# Allegro board LED_FIN.brd (continued)
## Routing (per net, layer and track width the routed paths; a pad name or vN(x,y) marks a point on that pad's centre or on a via; arc(x,y) is an arc through that point) (continued)
COL_OUT_C7: length 257.4
  TOP w0.15: D13673.1 v1(263.25,166.8) ; D12923.1 v1(263.25,216.8) ; D13223.1 v1(263.25,196.8) ; D12653.1 v1(263.25,234.8) ; D12833.1 v1(263.25,222.8) ; D13403.1 v1(263.25,184.8) ; D12593.1 v1(263.25,238.8) ; D13193.1 v1(263.25,198.8) ; D13103.1 v1(263.25,204.8) ; D12683.1 v1(263.25,232.8) ; D13373.1 v1(263.25,186.8) ; D12623.1 v1(263.25,236.8) ; D13013.1 v1(263.25,210.8) ; D13253.1 v1(263.25,194.8) ; D12863.1 v1(263.25,220.8) ; R353.1 262.7,10.6 v1(263.25,10.6) ; D13463.1 v1(263.25,180.8) ; D13583.1 v1(263.25,172.8) ; D12743.1 v1(263.25,228.8) ; D12803.1 v1(263.25,224.8) ; D13313.1 v1(263.25,190.8) ; D12893.1 v1(263.25,218.8) ; D12983.1 v1(263.25,212.8) ; D13163.1 v1(263.25,200.8) ; D12713.1 v1(263.25,230.8) ; D13433.1 v1(263.25,182.8) ; D12773.1 v1(263.25,226.8) ; D13523.1 v1(263.25,176.8) ; D13643.1 v1(263.25,168.8) ; D13343.1 v1(263.25,188.8) ; D13043.1 v1(263.25,208.8) ; D13493.1 v1(263.25,178.8) ; D12953.1 v1(263.25,214.8) ; D13553.1 v1(263.25,174.8) ; D13133.1 v1(263.25,202.8) ; D13283.1 v1(263.25,192.8) ; D12563.1 v1(263.25,240.8) ; D13073.1 v1(263.25,206.8) ; D13613.1 v1(263.25,170.8)
  BOTTOM w0.15: v1(263.25,240.8) v1(263.25,238.8) v1(263.25,236.8) v1(263.25,234.8) v1(263.25,232.8) v1(263.25,230.8) v1(263.25,228.8) v1(263.25,226.8) v1(263.25,224.8) v1(263.25,222.8) v1(263.25,220.8) v1(263.25,218.8) v1(263.25,216.8) v1(263.25,214.8) v1(263.25,212.8) v1(263.25,210.8) v1(263.25,208.8) v1(263.25,206.8) v1(263.25,204.8) v1(263.25,202.8) v1(263.25,200.8) v1(263.25,198.8) v1(263.25,196.8) v1(263.25,194.8) v1(263.25,192.8) v1(263.25,190.8) v1(263.25,188.8) v1(263.25,186.8) v1(263.25,184.8) v1(263.25,182.8) v1(263.25,180.8) v1(263.25,178.8) v1(263.25,176.8) v1(263.25,174.8) v1(263.25,172.8) v1(263.25,170.8) v1(263.25,168.8) v1(263.25,166.8) v1(263.25,10.6)
COL_OUT_C8: length 257.4
  TOP w0.15: D12712.1 v1(261.25,230.8) ; D13132.1 v1(261.25,202.8) ; D12862.1 v1(261.25,220.8) ; D13582.1 v1(261.25,172.8) ; D12622.1 v1(261.25,236.8) ; D13492.1 v1(261.25,178.8) ; D12562.1 v1(261.25,240.8) ; R352.1 260.7,10.6 v1(261.25,10.6) ; D13192.1 v1(261.25,198.8) ; D13252.1 v1(261.25,194.8) ; D13642.1 v1(261.25,168.8) ; D12742.1 v1(261.25,228.8) ; D12772.1 v1(261.25,226.8) ; D12892.1 v1(261.25,218.8) ; D13552.1 v1(261.25,174.8) ; D13222.1 v1(261.25,196.8) ; D13162.1 v1(261.25,200.8) ; D12952.1 v1(261.25,214.8) ; D12652.1 v1(261.25,234.8) ; D12922.1 v1(261.25,216.8) ; D13342.1 v1(261.25,188.8) ; D13042.1 v1(261.25,208.8) ; D13312.1 v1(261.25,190.8) ; D13522.1 v1(261.25,176.8) ; D13462.1 v1(261.25,180.8) ; D13372.1 v1(261.25,186.8) ; D13432.1 v1(261.25,182.8) ; D13612.1 v1(261.25,170.8) ; D12982.1 v1(261.25,212.8) ; D12592.1 v1(261.25,238.8) ; D13102.1 v1(261.25,204.8) ; D13672.1 v1(261.25,166.8) ; D12802.1 v1(261.25,224.8) ; D13402.1 v1(261.25,184.8) ; D13072.1 v1(261.25,206.8) ; D13012.1 v1(261.25,210.8) ; D12682.1 v1(261.25,232.8) ; D12832.1 v1(261.25,222.8) ; D13282.1 v1(261.25,192.8)
  BOTTOM w0.15: v1(261.25,240.8) v1(261.25,238.8) v1(261.25,236.8) v1(261.25,234.8) v1(261.25,232.8) v1(261.25,230.8) v1(261.25,228.8) v1(261.25,226.8) v1(261.25,224.8) v1(261.25,222.8) v1(261.25,220.8) v1(261.25,218.8) v1(261.25,216.8) v1(261.25,214.8) v1(261.25,212.8) v1(261.25,210.8) v1(261.25,208.8) v1(261.25,206.8) v1(261.25,204.8) v1(261.25,202.8) v1(261.25,200.8) v1(261.25,198.8) v1(261.25,196.8) v1(261.25,194.8) v1(261.25,192.8) v1(261.25,190.8) v1(261.25,188.8) v1(261.25,186.8) v1(261.25,184.8) v1(261.25,182.8) v1(261.25,180.8) v1(261.25,178.8) v1(261.25,176.8) v1(261.25,174.8) v1(261.25,172.8) v1(261.25,170.8) v1(261.25,168.8) v1(261.25,166.8) v1(261.25,10.6)
COL_OUT_C9: length 257.4
  TOP w0.15: D12891.1 v1(259.25,218.8) ; D13221.1 v1(259.25,196.8) ; D12771.1 v1(259.25,226.8) ; D12681.1 v1(259.25,232.8) ; v1(259.25,10.6) 258.7,10.6 R351.1 ; D13521.1 v1(259.25,176.8) ; D13551.1 v1(259.25,174.8) ; D12981.1 v1(259.25,212.8) ; D13251.1 v1(259.25,194.8) ; D12951.1 v1(259.25,214.8) ; D12711.1 v1(259.25,230.8) ; D13101.1 v1(259.25,204.8) ; D12801.1 v1(259.25,224.8) ; D12861.1 v1(259.25,220.8) ; D13461.1 v1(259.25,180.8) ; D12591.1 v1(259.25,238.8) ; D13491.1 v1(259.25,178.8) ; D12741.1 v1(259.25,228.8) ; D13191.1 v1(259.25,198.8) ; D13611.1 v1(259.25,170.8) ; D13311.1 v1(259.25,190.8) ; D13371.1 v1(259.25,186.8) ; D13671.1 v1(259.25,166.8) ; D13401.1 v1(259.25,184.8) ; D13071.1 v1(259.25,206.8) ; D13011.1 v1(259.25,210.8) ; D13161.1 v1(259.25,200.8) ; D12621.1 v1(259.25,236.8) ; D13041.1 v1(259.25,208.8) ; D13641.1 v1(259.25,168.8) ; D13431.1 v1(259.25,182.8) ; D12921.1 v1(259.25,216.8) ; D12651.1 v1(259.25,234.8) ; D13131.1 v1(259.25,202.8) ; D13581.1 v1(259.25,172.8) ; D13341.1 v1(259.25,188.8) ; D13281.1 v1(259.25,192.8) ; D12831.1 v1(259.25,222.8) ; D12561.1 v1(259.25,240.8)
  BOTTOM w0.15: v1(259.25,10.6) v1(259.25,166.8) v1(259.25,168.8) v1(259.25,170.8) v1(259.25,172.8) v1(259.25,174.8) v1(259.25,176.8) v1(259.25,178.8) v1(259.25,180.8) v1(259.25,182.8) v1(259.25,184.8) v1(259.25,186.8) v1(259.25,188.8) v1(259.25,190.8) v1(259.25,192.8) v1(259.25,194.8) v1(259.25,196.8) v1(259.25,198.8) v1(259.25,200.8) v1(259.25,202.8) v1(259.25,204.8) v1(259.25,206.8) v1(259.25,208.8) v1(259.25,210.8) v1(259.25,212.8) v1(259.25,214.8) v1(259.25,216.8) v1(259.25,218.8) v1(259.25,220.8) v1(259.25,222.8) v1(259.25,224.8) v1(259.25,226.8) v1(259.25,228.8) v1(259.25,230.8) v1(259.25,232.8) v1(259.25,234.8) v1(259.25,236.8) v1(259.25,238.8) v1(259.25,240.8)
COL_OUT_C10: length 257.4
  TOP w0.15: D12890.1 v1(257.25,218.8) ; D13490.1 v1(257.25,178.8) ; D13340.1 v1(257.25,188.8) ; D13430.1 v1(257.25,182.8) ; D12770.1 v1(257.25,226.8) ; D12980.1 v1(257.25,212.8) ; D13190.1 v1(257.25,198.8) ; R350.1 256.7,10.6 v1(257.25,10.6) ; D13370.1 v1(257.25,186.8) ; D12650.1 v1(257.25,234.8) ; D12620.1 v1(257.25,236.8) ; D13310.1 v1(257.25,190.8) ; D13670.1 v1(257.25,166.8) ; D13040.1 v1(257.25,208.8) ; D13640.1 v1(257.25,168.8) ; D12590.1 v1(257.25,238.8) ; D12710.1 v1(257.25,230.8) ; D13010.1 v1(257.25,210.8) ; D12830.1 v1(257.25,222.8) ; D13220.1 v1(257.25,196.8) ; D12560.1 v1(257.25,240.8) ; D12920.1 v1(257.25,216.8) ; D13460.1 v1(257.25,180.8) ; D13070.1 v1(257.25,206.8) ; D12860.1 v1(257.25,220.8) ; D13610.1 v1(257.25,170.8) ; D13580.1 v1(257.25,172.8) ; D13400.1 v1(257.25,184.8) ; D13280.1 v1(257.25,192.8) ; D12950.1 v1(257.25,214.8) ; D13250.1 v1(257.25,194.8) ; D12800.1 v1(257.25,224.8) ; D13520.1 v1(257.25,176.8) ; D13550.1 v1(257.25,174.8) ; D12740.1 v1(257.25,228.8) ; D13160.1 v1(257.25,200.8) ; D13100.1 v1(257.25,204.8) ; D12680.1 v1(257.25,232.8) ; D13130.1 v1(257.25,202.8)
  BOTTOM w0.15: v1(257.25,240.8) v1(257.25,238.8) v1(257.25,236.8) v1(257.25,234.8) v1(257.25,232.8) v1(257.25,230.8) v1(257.25,228.8) v1(257.25,226.8) v1(257.25,224.8) v1(257.25,222.8) v1(257.25,220.8) v1(257.25,218.8) v1(257.25,216.8) v1(257.25,214.8) v1(257.25,212.8) v1(257.25,210.8) v1(257.25,208.8) v1(257.25,206.8) v1(257.25,204.8) v1(257.25,202.8) v1(257.25,200.8) v1(257.25,198.8) v1(257.25,196.8) v1(257.25,194.8) v1(257.25,192.8) v1(257.25,190.8) v1(257.25,188.8) v1(257.25,186.8) v1(257.25,184.8) v1(257.25,182.8) v1(257.25,180.8) v1(257.25,178.8) v1(257.25,176.8) v1(257.25,174.8) v1(257.25,172.8) v1(257.25,170.8) v1(257.25,168.8) v1(257.25,166.8) v1(257.25,10.6)
COL_OUT_C11: length 257.4
  TOP w0.15: D13339.1 v1(255.25,188.8) ; v1(255.25,10.6) 254.7,10.6 R349.1 ; D13429.1 v1(255.25,182.8) ; D13489.1 v1(255.25,178.8) ; D13249.1 v1(255.25,194.8) ; D13399.1 v1(255.25,184.8) ; D12619.1 v1(255.25,236.8) ; D13519.1 v1(255.25,176.8) ; D13549.1 v1(255.25,174.8) ; D12559.1 v1(255.25,240.8) ; D12949.1 v1(255.25,214.8) ; D13189.1 v1(255.25,198.8) ; D12799.1 v1(255.25,224.8) ; D12769.1 v1(255.25,226.8) ; D13159.1 v1(255.25,200.8) ; D13069.1 v1(255.25,206.8) ; D13009.1 v1(255.25,210.8) ; D12739.1 v1(255.25,228.8) ; D12709.1 v1(255.25,230.8) ; D12979.1 v1(255.25,212.8) ; D12649.1 v1(255.25,234.8) ; D13099.1 v1(255.25,204.8) ; D12589.1 v1(255.25,238.8) ; D13219.1 v1(255.25,196.8) ; D13369.1 v1(255.25,186.8) ; D13579.1 v1(255.25,172.8) ; D12919.1 v1(255.25,216.8) ; D13669.1 v1(255.25,166.8) ; D12829.1 v1(255.25,222.8) ; D12679.1 v1(255.25,232.8) ; D13129.1 v1(255.25,202.8) ; D13309.1 v1(255.25,190.8) ; D12889.1 v1(255.25,218.8) ; D13459.1 v1(255.25,180.8) ; D13279.1 v1(255.25,192.8) ; D13639.1 v1(255.25,168.8) ; D12859.1 v1(255.25,220.8) ; D13609.1 v1(255.25,170.8) ; D13039.1 v1(255.25,208.8)
  BOTTOM w0.15: v1(255.25,240.8) v1(255.25,238.8) v1(255.25,236.8) v1(255.25,234.8) v1(255.25,232.8) v1(255.25,230.8) v1(255.25,228.8) v1(255.25,226.8) v1(255.25,224.8) v1(255.25,222.8) v1(255.25,220.8) v1(255.25,218.8) v1(255.25,216.8) v1(255.25,214.8) v1(255.25,212.8) v1(255.25,210.8) v1(255.25,208.8) v1(255.25,206.8) v1(255.25,204.8) v1(255.25,202.8) v1(255.25,200.8) v1(255.25,198.8) v1(255.25,196.8) v1(255.25,194.8) v1(255.25,192.8) v1(255.25,190.8) v1(255.25,188.8) v1(255.25,186.8) v1(255.25,184.8) v1(255.25,182.8) v1(255.25,180.8) v1(255.25,178.8) v1(255.25,176.8) v1(255.25,174.8) v1(255.25,172.8) v1(255.25,170.8) v1(255.25,168.8) v1(255.25,166.8) v1(255.25,10.6)
COL_OUT_C12: length 257.4
  TOP w0.15: D12738.1 v1(253.25,228.8) ; D13308.1 v1(253.25,190.8) ; D12558.1 v1(253.25,240.8) ; D12708.1 v1(253.25,230.8) ; D13278.1 v1(253.25,192.8) ; R348.1 252.7,10.6 v1(253.25,10.6) ; D12948.1 v1(253.25,214.8) ; D13158.1 v1(253.25,200.8) ; D13068.1 v1(253.25,206.8) ; D12858.1 v1(253.25,220.8) ; D12828.1 v1(253.25,222.8) ; D13248.1 v1(253.25,194.8) ; D13398.1 v1(253.25,184.8) ; D12798.1 v1(253.25,224.8) ; D13578.1 v1(253.25,172.8) ; D13038.1 v1(253.25,208.8) ; D13368.1 v1(253.25,186.8) ; D13638.1 v1(253.25,168.8) ; D12918.1 v1(253.25,216.8) ; D13608.1 v1(253.25,170.8) ; D13428.1 v1(253.25,182.8) ; D13488.1 v1(253.25,178.8) ; D12768.1 v1(253.25,226.8) ; D12588.1 v1(253.25,238.8) ; D13218.1 v1(253.25,196.8) ; D13338.1 v1(253.25,188.8) ; D12888.1 v1(253.25,218.8) ; D13548.1 v1(253.25,174.8) ; D13518.1 v1(253.25,176.8) ; D13008.1 v1(253.25,210.8) ; D13188.1 v1(253.25,198.8) ; D12648.1 v1(253.25,234.8) ; D13458.1 v1(253.25,180.8) ; D13128.1 v1(253.25,202.8) ; D12978.1 v1(253.25,212.8) ; D12678.1 v1(253.25,232.8) ; D12618.1 v1(253.25,236.8) ; D13668.1 v1(253.25,166.8) ; D13098.1 v1(253.25,204.8)
  BOTTOM w0.15: v1(253.25,10.6) v1(253.25,166.8) v1(253.25,168.8) v1(253.25,170.8) v1(253.25,172.8) v1(253.25,174.8) v1(253.25,176.8) v1(253.25,178.8) v1(253.25,180.8) v1(253.25,182.8) v1(253.25,184.8) v1(253.25,186.8) v1(253.25,188.8) v1(253.25,190.8) v1(253.25,192.8) v1(253.25,194.8) v1(253.25,196.8) v1(253.25,198.8) v1(253.25,200.8) v1(253.25,202.8) v1(253.25,204.8) v1(253.25,206.8) v1(253.25,208.8) v1(253.25,210.8) v1(253.25,212.8) v1(253.25,214.8) v1(253.25,216.8) v1(253.25,218.8) v1(253.25,220.8) v1(253.25,222.8) v1(253.25,224.8) v1(253.25,226.8) v1(253.25,228.8) v1(253.25,230.8) v1(253.25,232.8) v1(253.25,234.8) v1(253.25,236.8) v1(253.25,238.8) v1(253.25,240.8)
COL_OUT_C13: length 257.4
  TOP w0.15: D13637.1 v1(251.25,168.8) ; D13577.1 v1(251.25,172.8) ; D12557.1 v1(251.25,240.8) ; D13247.1 v1(251.25,194.8) ; D12977.1 v1(251.25,212.8) ; D13367.1 v1(251.25,186.8) ; D12827.1 v1(251.25,222.8) ; v1(251.25,10.6) 250.7,10.6 R347.1 ; D13547.1 v1(251.25,174.8) ; D13337.1 v1(251.25,188.8) ; D13097.1 v1(251.25,204.8) ; D12797.1 v1(251.25,224.8) ; D12767.1 v1(251.25,226.8) ; D12737.1 v1(251.25,228.8) ; D13397.1 v1(251.25,184.8) ; D13187.1 v1(251.25,198.8) ; D13127.1 v1(251.25,202.8) ; D13277.1 v1(251.25,192.8) ; D12917.1 v1(251.25,216.8) ; D13307.1 v1(251.25,190.8) ; D13457.1 v1(251.25,180.8) ; D13067.1 v1(251.25,206.8) ; D13007.1 v1(251.25,210.8) ; D12887.1 v1(251.25,218.8) ; D13517.1 v1(251.25,176.8) ; D12857.1 v1(251.25,220.8) ; D13607.1 v1(251.25,170.8) ; D12617.1 v1(251.25,236.8) ; D12647.1 v1(251.25,234.8) ; D12587.1 v1(251.25,238.8) ; D12677.1 v1(251.25,232.8) ; D13157.1 v1(251.25,200.8) ; D13217.1 v1(251.25,196.8) ; D13037.1 v1(251.25,208.8) ; D13427.1 v1(251.25,182.8) ; D13487.1 v1(251.25,178.8) ; D12707.1 v1(251.25,230.8) ; D13667.1 v1(251.25,166.8) ; D12947.1 v1(251.25,214.8)
  BOTTOM w0.15: v1(251.25,240.8) v1(251.25,238.8) v1(251.25,236.8) v1(251.25,234.8) v1(251.25,232.8) v1(251.25,230.8) v1(251.25,228.8) v1(251.25,226.8) v1(251.25,224.8) v1(251.25,222.8) v1(251.25,220.8) v1(251.25,218.8) v1(251.25,216.8) v1(251.25,214.8) v1(251.25,212.8) v1(251.25,210.8) v1(251.25,208.8) v1(251.25,206.8) v1(251.25,204.8) v1(251.25,202.8) v1(251.25,200.8) v1(251.25,198.8) v1(251.25,196.8) v1(251.25,194.8) v1(251.25,192.8) v1(251.25,190.8) v1(251.25,188.8) v1(251.25,186.8) v1(251.25,184.8) v1(251.25,182.8) v1(251.25,180.8) v1(251.25,178.8) v1(251.25,176.8) v1(251.25,174.8) v1(251.25,172.8) v1(251.25,170.8) v1(251.25,168.8) v1(251.25,166.8) v1(251.25,10.6)
COL_OUT_C14: length 257.4
  TOP w0.15: D12676.1 v1(249.25,232.8) ; D13366.1 v1(249.25,186.8) ; D12826.1 v1(249.25,222.8) ; D13216.1 v1(249.25,196.8) ; D13066.1 v1(249.25,206.8) ; D12796.1 v1(249.25,224.8) ; D13426.1 v1(249.25,182.8) ; D13606.1 v1(249.25,170.8) ; D13096.1 v1(249.25,204.8) ; D13276.1 v1(249.25,192.8) ; D13246.1 v1(249.25,194.8) ; D12646.1 v1(249.25,234.8) ; D13156.1 v1(249.25,200.8) ; D13336.1 v1(249.25,188.8) ; D13036.1 v1(249.25,208.8) ; D13126.1 v1(249.25,202.8) ; D12886.1 v1(249.25,218.8) ; D12946.1 v1(249.25,214.8) ; R346.1 248.7,10.6 v1(249.25,10.6) ; D12556.1 v1(249.25,240.8) ; D13636.1 v1(249.25,168.8) ; D13516.1 v1(249.25,176.8) ; D12856.1 v1(249.25,220.8) ; D12616.1 v1(249.25,236.8) ; D13666.1 v1(249.25,166.8) ; D12766.1 v1(249.25,226.8) ; D13456.1 v1(249.25,180.8) ; D13396.1 v1(249.25,184.8) ; D12586.1 v1(249.25,238.8) ; D13576.1 v1(249.25,172.8) ; D13546.1 v1(249.25,174.8) ; D13306.1 v1(249.25,190.8) ; D12976.1 v1(249.25,212.8) ; D12916.1 v1(249.25,216.8) ; D13486.1 v1(249.25,178.8) ; D12736.1 v1(249.25,228.8) ; D13006.1 v1(249.25,210.8) ; D13186.1 v1(249.25,198.8) ; D12706.1 v1(249.25,230.8)
  BOTTOM w0.15: v1(249.25,10.6) v1(249.25,166.8) v1(249.25,168.8) v1(249.25,170.8) v1(249.25,172.8) v1(249.25,174.8) v1(249.25,176.8) v1(249.25,178.8) v1(249.25,180.8) v1(249.25,182.8) v1(249.25,184.8) v1(249.25,186.8) v1(249.25,188.8) v1(249.25,190.8) v1(249.25,192.8) v1(249.25,194.8) v1(249.25,196.8) v1(249.25,198.8) v1(249.25,200.8) v1(249.25,202.8) v1(249.25,204.8) v1(249.25,206.8) v1(249.25,208.8) v1(249.25,210.8) v1(249.25,212.8) v1(249.25,214.8) v1(249.25,216.8) v1(249.25,218.8) v1(249.25,220.8) v1(249.25,222.8) v1(249.25,224.8) v1(249.25,226.8) v1(249.25,228.8) v1(249.25,230.8) v1(249.25,232.8) v1(249.25,234.8) v1(249.25,236.8) v1(249.25,238.8) v1(249.25,240.8)
COL_OUT_C15: length 257.4
  TOP w0.15: D13185.1 v1(247.25,198.8) ; D13605.1 v1(247.25,170.8) ; D12825.1 v1(247.25,222.8) ; D13215.1 v1(247.25,196.8) ; D12675.1 v1(247.25,232.8) ; D12705.1 v1(247.25,230.8) ; R345.1 246.7,10.6 v1(247.25,10.6) ; D13125.1 v1(247.25,202.8) ; D12555.1 v1(247.25,240.8) ; D12915.1 v1(247.25,216.8) ; D13455.1 v1(247.25,180.8) ; D13395.1 v1(247.25,184.8) ; D13335.1 v1(247.25,188.8) ; D12765.1 v1(247.25,226.8) ; D12795.1 v1(247.25,224.8) ; D12735.1 v1(247.25,228.8) ; D13575.1 v1(247.25,172.8) ; D13425.1 v1(247.25,182.8) ; D13305.1 v1(247.25,190.8) ; D12975.1 v1(247.25,212.8) ; D12585.1 v1(247.25,238.8) ; D13515.1 v1(247.25,176.8) ; D13035.1 v1(247.25,208.8) ; D12945.1 v1(247.25,214.8) ; D13665.1 v1(247.25,166.8) ; D13245.1 v1(247.25,194.8) ; D13095.1 v1(247.25,204.8) ; D12615.1 v1(247.25,236.8) ; D13275.1 v1(247.25,192.8) ; D13545.1 v1(247.25,174.8) ; D13155.1 v1(247.25,200.8) ; D12885.1 v1(247.25,218.8) ; D13485.1 v1(247.25,178.8) ; D13065.1 v1(247.25,206.8) ; D13635.1 v1(247.25,168.8) ; D12645.1 v1(247.25,234.8) ; D13005.1 v1(247.25,210.8) ; D13365.1 v1(247.25,186.8) ; D12855.1 v1(247.25,220.8)
  BOTTOM w0.15: v1(247.25,10.6) v1(247.25,166.8) v1(247.25,168.8) v1(247.25,170.8) v1(247.25,172.8) v1(247.25,174.8) v1(247.25,176.8) v1(247.25,178.8) v1(247.25,180.8) v1(247.25,182.8) v1(247.25,184.8) v1(247.25,186.8) v1(247.25,188.8) v1(247.25,190.8) v1(247.25,192.8) v1(247.25,194.8) v1(247.25,196.8) v1(247.25,198.8) v1(247.25,200.8) v1(247.25,202.8) v1(247.25,204.8) v1(247.25,206.8) v1(247.25,208.8) v1(247.25,210.8) v1(247.25,212.8) v1(247.25,214.8) v1(247.25,216.8) v1(247.25,218.8) v1(247.25,220.8) v1(247.25,222.8) v1(247.25,224.8) v1(247.25,226.8) v1(247.25,228.8) v1(247.25,230.8) v1(247.25,232.8) v1(247.25,234.8) v1(247.25,236.8) v1(247.25,238.8) v1(247.25,240.8)
COL_OUT_C16: length 257.4
  TOP w0.15: D13544.1 v1(245.25,174.8) ; D12674.1 v1(245.25,232.8) ; D13214.1 v1(245.25,196.8) ; D12794.1 v1(245.25,224.8) ; D12914.1 v1(245.25,216.8) ; D13394.1 v1(245.25,184.8) ; D13664.1 v1(245.25,166.8) ; D13514.1 v1(245.25,176.8) ; D12644.1 v1(245.25,234.8) ; D13034.1 v1(245.25,208.8) ; D13244.1 v1(245.25,194.8) ; D13274.1 v1(245.25,192.8) ; D12584.1 v1(245.25,238.8) ; D12944.1 v1(245.25,214.8) ; D13304.1 v1(245.25,190.8) ; D13004.1 v1(245.25,210.8) ; D13064.1 v1(245.25,206.8) ; D12554.1 v1(245.25,240.8) ; D12824.1 v1(245.25,222.8) ; D13574.1 v1(245.25,172.8) ; D13634.1 v1(245.25,168.8) ; D13334.1 v1(245.25,188.8) ; D13484.1 v1(245.25,178.8) ; D13094.1 v1(245.25,204.8) ; D13154.1 v1(245.25,200.8) ; D13424.1 v1(245.25,182.8) ; R344.1 244.7,10.6 v1(245.25,10.6) ; D13184.1 v1(245.25,198.8) ; D13364.1 v1(245.25,186.8) ; D12884.1 v1(245.25,218.8) ; D12614.1 v1(245.25,236.8) ; D12734.1 v1(245.25,228.8) ; D13604.1 v1(245.25,170.8) ; D12704.1 v1(245.25,230.8) ; D13454.1 v1(245.25,180.8) ; D12764.1 v1(245.25,226.8) ; D12974.1 v1(245.25,212.8) ; D13124.1 v1(245.25,202.8) ; D12854.1 v1(245.25,220.8)
  BOTTOM w0.15: v1(245.25,10.6) v1(245.25,166.8) v1(245.25,168.8) v1(245.25,170.8) v1(245.25,172.8) v1(245.25,174.8) v1(245.25,176.8) v1(245.25,178.8) v1(245.25,180.8) v1(245.25,182.8) v1(245.25,184.8) v1(245.25,186.8) v1(245.25,188.8) v1(245.25,190.8) v1(245.25,192.8) v1(245.25,194.8) v1(245.25,196.8) v1(245.25,198.8) v1(245.25,200.8) v1(245.25,202.8) v1(245.25,204.8) v1(245.25,206.8) v1(245.25,208.8) v1(245.25,210.8) v1(245.25,212.8) v1(245.25,214.8) v1(245.25,216.8) v1(245.25,218.8) v1(245.25,220.8) v1(245.25,222.8) v1(245.25,224.8) v1(245.25,226.8) v1(245.25,228.8) v1(245.25,230.8) v1(245.25,232.8) v1(245.25,234.8) v1(245.25,236.8) v1(245.25,238.8) v1(245.25,240.8)
COL_OUT_C17: length 257.4
  TOP w0.15: D13093.1 v1(243.25,204.8) ; D13363.1 v1(243.25,186.8) ; D13453.1 v1(243.25,180.8) ; D13213.1 v1(243.25,196.8) ; R343.1 242.7,10.6 v1(243.25,10.6) ; D13303.1 v1(243.25,190.8) ; D12733.1 v1(243.25,228.8) ; D13603.1 v1(243.25,170.8) ; D13123.1 v1(243.25,202.8) ; D13333.1 v1(243.25,188.8) ; D13003.1 v1(243.25,210.8) ; D13183.1 v1(243.25,198.8) ; D13153.1 v1(243.25,200.8) ; D12553.1 v1(243.25,240.8) ; D12643.1 v1(243.25,234.8) ; D12763.1 v1(243.25,226.8) ; D12703.1 v1(243.25,230.8) ; D12913.1 v1(243.25,216.8) ; D13243.1 v1(243.25,194.8) ; D12793.1 v1(243.25,224.8) ; D13423.1 v1(243.25,182.8) ; D13633.1 v1(243.25,168.8) ; D13033.1 v1(243.25,208.8) ; D12973.1 v1(243.25,212.8) ; D13513.1 v1(243.25,176.8) ; D12943.1 v1(243.25,214.8) ; D12883.1 v1(243.25,218.8) ; D12853.1 v1(243.25,220.8) ; D13273.1 v1(243.25,192.8) ; D13663.1 v1(243.25,166.8) ; D13543.1 v1(243.25,174.8) ; D13573.1 v1(243.25,172.8) ; D13393.1 v1(243.25,184.8) ; D12823.1 v1(243.25,222.8) ; D13483.1 v1(243.25,178.8) ; D12673.1 v1(243.25,232.8) ; D13063.1 v1(243.25,206.8) ; D12613.1 v1(243.25,236.8) ; D12583.1 v1(243.25,238.8)
  BOTTOM w0.15: v1(243.25,10.6) v1(243.25,166.8) v1(243.25,168.8) v1(243.25,170.8) v1(243.25,172.8) v1(243.25,174.8) v1(243.25,176.8) v1(243.25,178.8) v1(243.25,180.8) v1(243.25,182.8) v1(243.25,184.8) v1(243.25,186.8) v1(243.25,188.8) v1(243.25,190.8) v1(243.25,192.8) v1(243.25,194.8) v1(243.25,196.8) v1(243.25,198.8) v1(243.25,200.8) v1(243.25,202.8) v1(243.25,204.8) v1(243.25,206.8) v1(243.25,208.8) v1(243.25,210.8) v1(243.25,212.8) v1(243.25,214.8) v1(243.25,216.8) v1(243.25,218.8) v1(243.25,220.8) v1(243.25,222.8) v1(243.25,224.8) v1(243.25,226.8) v1(243.25,228.8) v1(243.25,230.8) v1(243.25,232.8) v1(243.25,234.8) v1(243.25,236.8) v1(243.25,238.8) v1(243.25,240.8)
COL_OUT_C18: length 257.4
  TOP w0.15: R342.1 240.7,10.6 v1(241.25,10.6) ; D12942.1 v1(241.25,214.8) ; D13392.1 v1(241.25,184.8) ; D12882.1 v1(241.25,218.8) ; D13632.1 v1(241.25,168.8) ; D13182.1 v1(241.25,198.8) ; D13332.1 v1(241.25,188.8) ; D13272.1 v1(241.25,192.8) ; D13572.1 v1(241.25,172.8) ; D13242.1 v1(241.25,194.8) ; D12912.1 v1(241.25,216.8) ; D12612.1 v1(241.25,236.8) ; D13512.1 v1(241.25,176.8) ; D12672.1 v1(241.25,232.8) ; D13482.1 v1(241.25,178.8) ; D13452.1 v1(241.25,180.8) ; D13092.1 v1(241.25,204.8) ; D12852.1 v1(241.25,220.8) ; D13152.1 v1(241.25,200.8) ; D12792.1 v1(241.25,224.8) ; D13212.1 v1(241.25,196.8) ; D13122.1 v1(241.25,202.8) ; D13302.1 v1(241.25,190.8) ; D13602.1 v1(241.25,170.8) ; D13362.1 v1(241.25,186.8) ; D13032.1 v1(241.25,208.8) ; D13062.1 v1(241.25,206.8) ; D13662.1 v1(241.25,166.8) ; D12642.1 v1(241.25,234.8) ; D12552.1 v1(241.25,240.8) ; D13422.1 v1(241.25,182.8) ; D13002.1 v1(241.25,210.8) ; D12822.1 v1(241.25,222.8) ; D12582.1 v1(241.25,238.8) ; D12762.1 v1(241.25,226.8) ; D13542.1 v1(241.25,174.8) ; D12972.1 v1(241.25,212.8) ; D12702.1 v1(241.25,230.8) ; D12732.1 v1(241.25,228.8)
  BOTTOM w0.15: v1(241.25,10.6) v1(241.25,166.8) v1(241.25,168.8) v1(241.25,170.8) v1(241.25,172.8) v1(241.25,174.8) v1(241.25,176.8) v1(241.25,178.8) v1(241.25,180.8) v1(241.25,182.8) v1(241.25,184.8) v1(241.25,186.8) v1(241.25,188.8) v1(241.25,190.8) v1(241.25,192.8) v1(241.25,194.8) v1(241.25,196.8) v1(241.25,198.8) v1(241.25,200.8) v1(241.25,202.8) v1(241.25,204.8) v1(241.25,206.8) v1(241.25,208.8) v1(241.25,210.8) v1(241.25,212.8) v1(241.25,214.8) v1(241.25,216.8) v1(241.25,218.8) v1(241.25,220.8) v1(241.25,222.8) v1(241.25,224.8) v1(241.25,226.8) v1(241.25,228.8) v1(241.25,230.8) v1(241.25,232.8) v1(241.25,234.8) v1(241.25,236.8) v1(241.25,238.8) v1(241.25,240.8)
COL_OUT_C19: length 257.9
  TOP w0.15: D12731.1 v1(239.25,228.8) ; D13331.1 v1(239.25,188.8) ; D13481.1 v1(239.25,178.8) ; D13391.1 v1(239.25,184.8) ; D12581.1 v1(239.25,238.8) ; D13571.1 v1(239.25,172.8) ; D13211.1 v1(239.25,196.8) ; D13601.1 v1(239.25,170.8) ; D12551.1 v1(239.25,240.8) ; D13451.1 v1(239.25,180.8) ; R341.1 238.7,10.6 v1(239.25,10.6) ; D13001.1 v1(239.25,210.8) ; D13301.1 v1(239.25,190.8) ; D12701.1 v1(239.25,230.8) ; D12671.1 v1(239.25,232.8) ; D13541.1 v1(239.25,174.8) ; D12911.1 v1(239.25,216.8) ; D12641.1 v1(239.25,234.8) ; D12611.1 v1(239.25,236.8) ; D12761.1 v1(239.25,226.8) ; D13151.1 v1(239.25,200.8) ; D13121.1 v1(239.25,202.8) ; D12881.1 v1(239.25,218.8) ; D13361.1 v1(239.25,186.8) ; D13091.1 v1(239.25,204.8) ; D13271.1 v1(239.25,192.8) ; D13661.1 v1(239.25,166.8) ; D13631.1 v1(239.25,168.8) ; D12971.1 v1(239.25,212.8) ; D12821.1 v1(239.25,222.8) ; D13061.1 v1(239.25,206.8) ; D13511.1 v1(239.25,176.8) ; D12941.1 v1(239.25,214.8) ; D13241.1 v1(239.25,194.8) ; D13421.1 v1(239.25,182.8) ; D12851.1 v1(239.25,220.8) ; D13031.1 v1(239.25,208.8) ; D13181.1 v1(239.25,198.8) ; D12791.1 v1(239.25,224.8)
  BOTTOM w0.15: v1(239.25,10.6) 239.25,42.82 239.8,43.37 239.8,93.4 239.25,93.95 v1(239.25,166.8) v1(239.25,168.8) v1(239.25,170.8) v1(239.25,172.8) v1(239.25,174.8) v1(239.25,176.8) v1(239.25,178.8) v1(239.25,180.8) v1(239.25,182.8) v1(239.25,184.8) v1(239.25,186.8) v1(239.25,188.8) v1(239.25,190.8) v1(239.25,192.8) v1(239.25,194.8) v1(239.25,196.8) v1(239.25,198.8) v1(239.25,200.8) v1(239.25,202.8) v1(239.25,204.8) v1(239.25,206.8) v1(239.25,208.8) v1(239.25,210.8) v1(239.25,212.8) v1(239.25,214.8) v1(239.25,216.8) v1(239.25,218.8) v1(239.25,220.8) v1(239.25,222.8) v1(239.25,224.8) v1(239.25,226.8) v1(239.25,228.8) v1(239.25,230.8) v1(239.25,232.8) v1(239.25,234.8) v1(239.25,236.8) v1(239.25,238.8) v1(239.25,240.8)
COL_OUT_C20: length 257.4
  TOP w0.15: D12880.1 v1(237.25,218.8) ; D12940.1 v1(237.25,214.8) ; D13450.1 v1(237.25,180.8) ; D12730.1 v1(237.25,228.8) ; D12610.1 v1(237.25,236.8) ; D13000.1 v1(237.25,210.8) ; D13330.1 v1(237.25,188.8) ; D13390.1 v1(237.25,184.8) ; D13240.1 v1(237.25,194.8) ; D13090.1 v1(237.25,204.8) ; R340.1 236.7,10.6 v1(237.25,10.6) ; D13480.1 v1(237.25,178.8) ; D12820.1 v1(237.25,222.8) ; D12790.1 v1(237.25,224.8) ; D12910.1 v1(237.25,216.8) ; D12700.1 v1(237.25,230.8) ; D13420.1 v1(237.25,182.8) ; D13060.1 v1(237.25,206.8) ; D12670.1 v1(237.25,232.8) ; D13510.1 v1(237.25,176.8) ; D13120.1 v1(237.25,202.8) ; D13210.1 v1(237.25,196.8) ; D13180.1 v1(237.25,198.8) ; D13570.1 v1(237.25,172.8) ; D12970.1 v1(237.25,212.8) ; D13540.1 v1(237.25,174.8) ; D13600.1 v1(237.25,170.8) ; D13270.1 v1(237.25,192.8) ; D13360.1 v1(237.25,186.8) ; D13150.1 v1(237.25,200.8) ; D12850.1 v1(237.25,220.8) ; D13630.1 v1(237.25,168.8) ; D13300.1 v1(237.25,190.8) ; D12760.1 v1(237.25,226.8) ; D12580.1 v1(237.25,238.8) ; D12640.1 v1(237.25,234.8) ; D13660.1 v1(237.25,166.8) ; D12550.1 v1(237.25,240.8) ; D13030.1 v1(237.25,208.8)
  BOTTOM w0.15: v1(237.25,240.8) v1(237.25,238.8) v1(237.25,236.8) v1(237.25,234.8) v1(237.25,232.8) v1(237.25,230.8) v1(237.25,228.8) v1(237.25,226.8) v1(237.25,224.8) v1(237.25,222.8) v1(237.25,220.8) v1(237.25,218.8) v1(237.25,216.8) v1(237.25,214.8) v1(237.25,212.8) v1(237.25,210.8) v1(237.25,208.8) v1(237.25,206.8) v1(237.25,204.8) v1(237.25,202.8) v1(237.25,200.8) v1(237.25,198.8) v1(237.25,196.8) v1(237.25,194.8) v1(237.25,192.8) v1(237.25,190.8) v1(237.25,188.8) v1(237.25,186.8) v1(237.25,184.8) v1(237.25,182.8) v1(237.25,180.8) v1(237.25,178.8) v1(237.25,176.8) v1(237.25,174.8) v1(237.25,172.8) v1(237.25,170.8) v1(237.25,168.8) v1(237.25,166.8) v1(237.25,10.6)
